# Altium PCB CHAHARDOLI-7 ADAD METAL.PcbDoc (part 8 of 11) (continued)
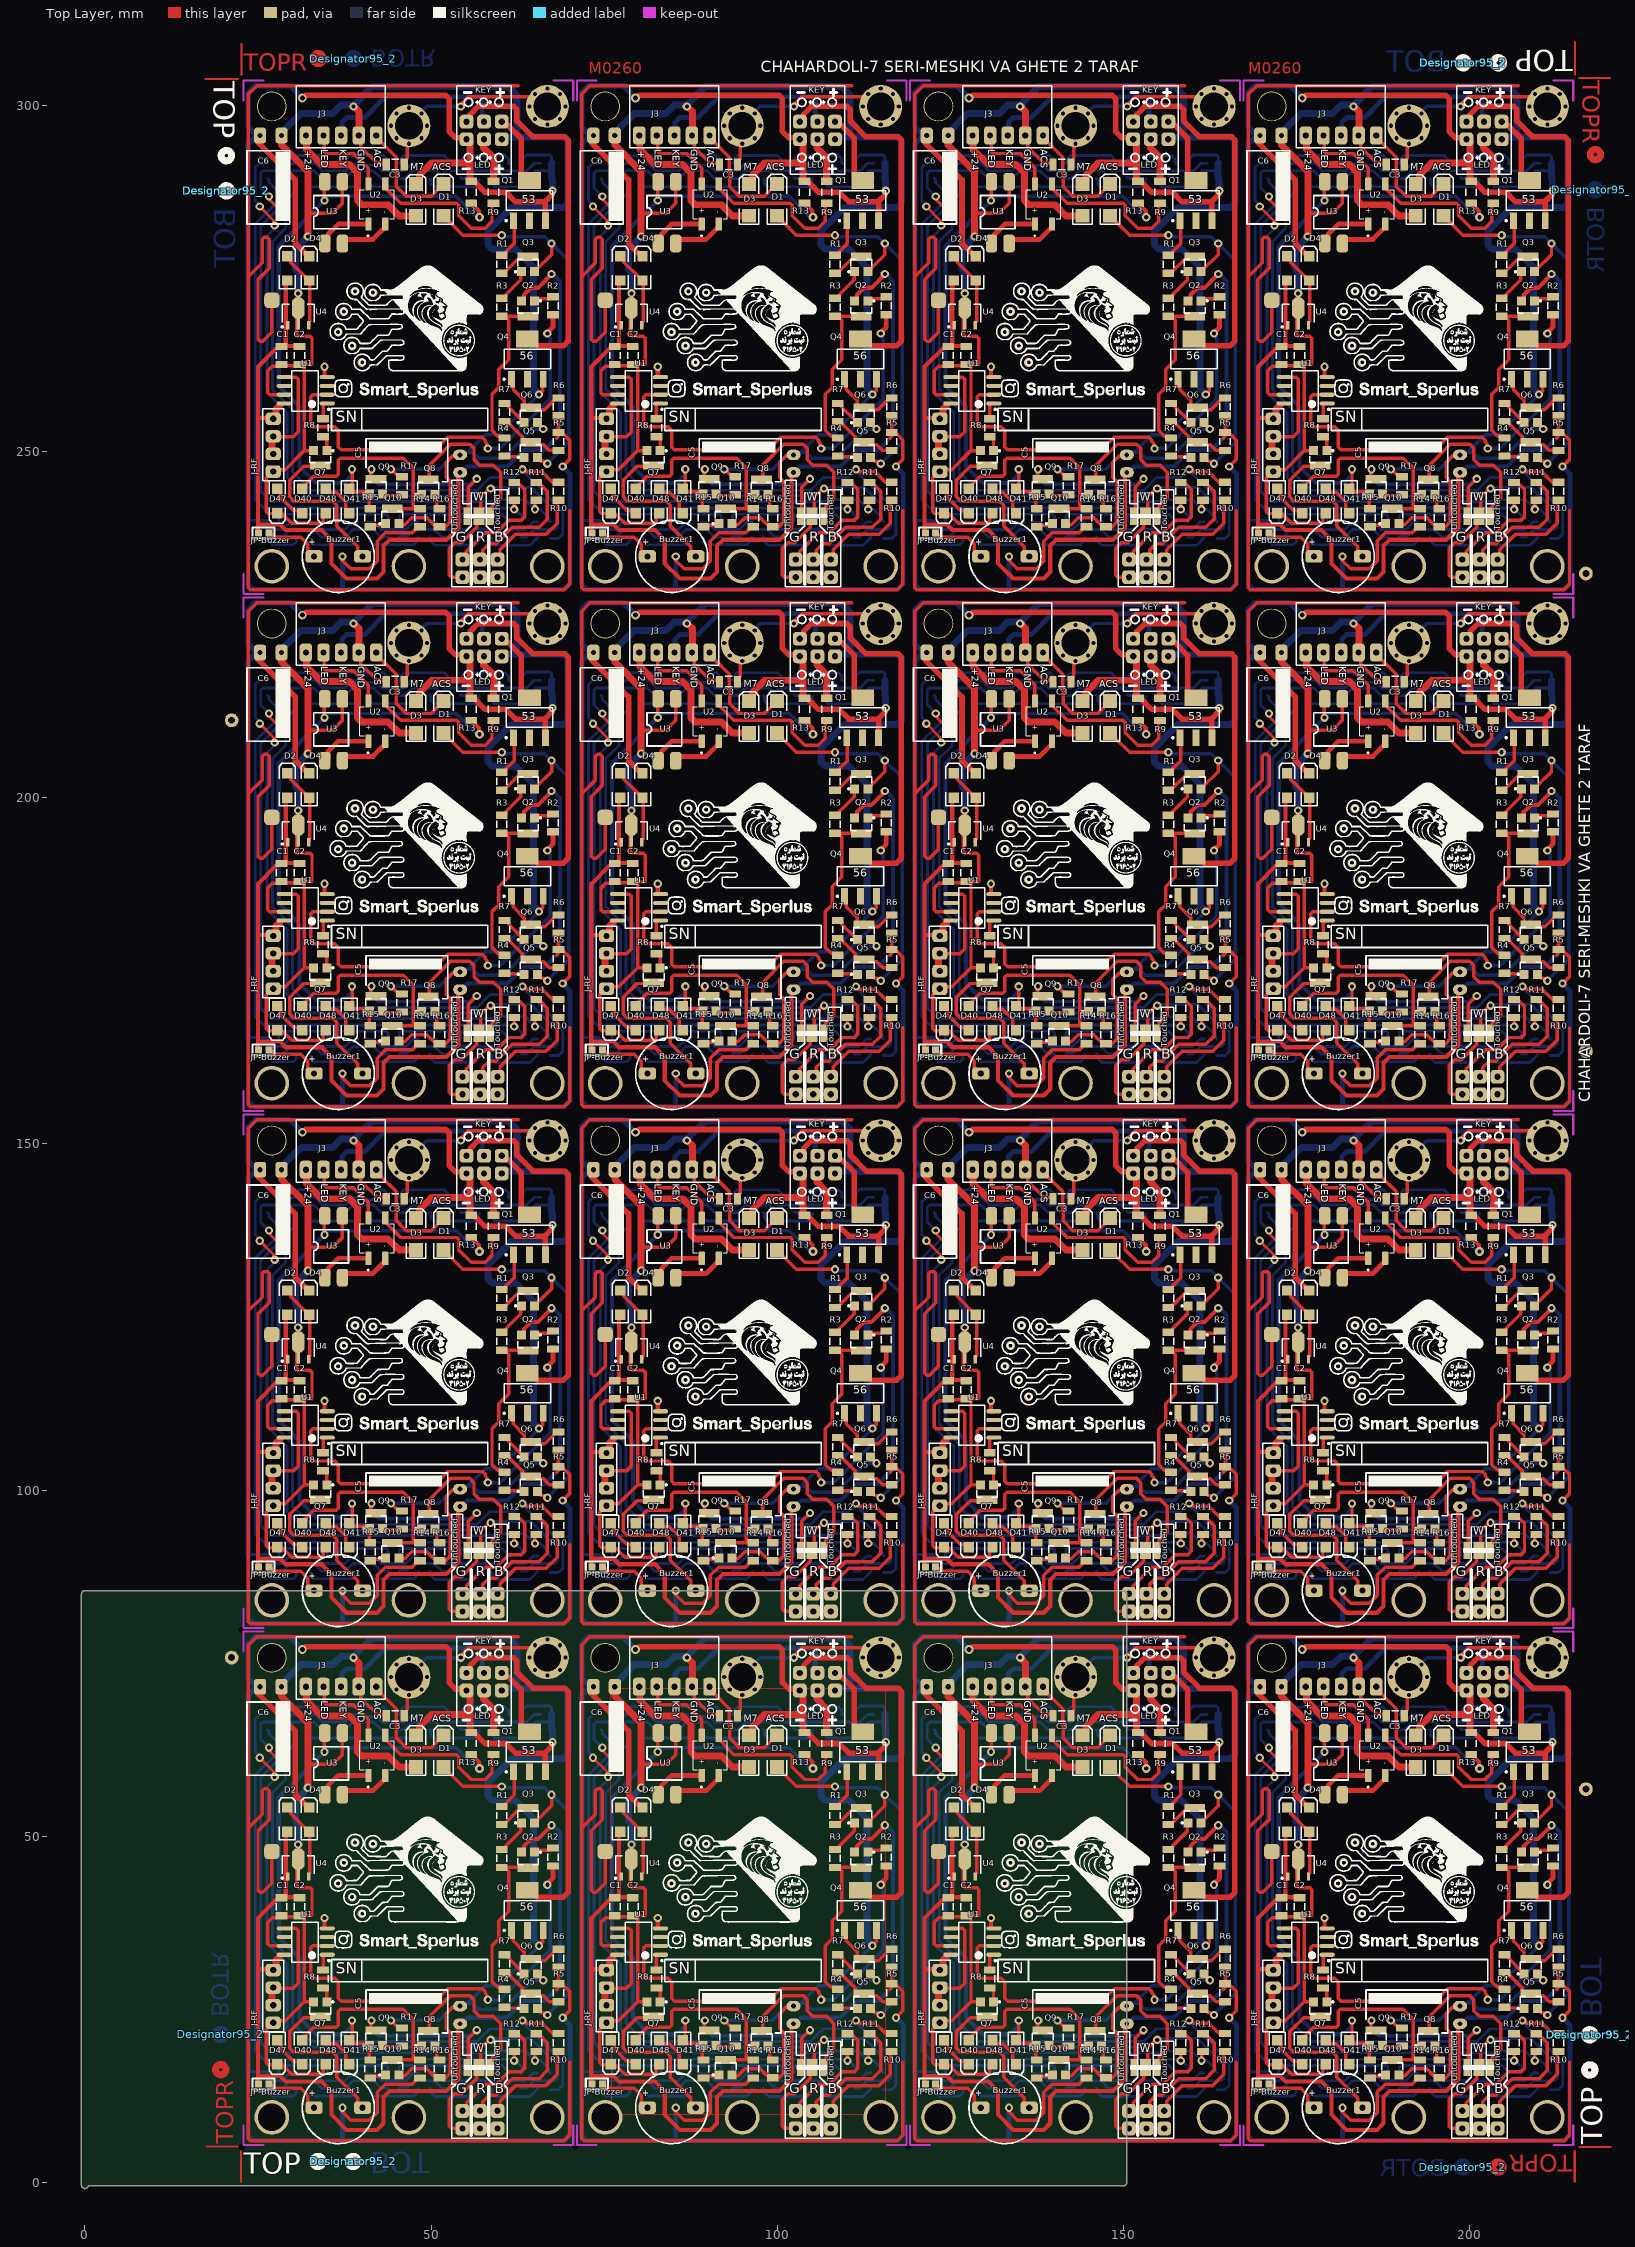
[diagram p0: Top Layer view]
## Nets (pads, with @x,y where several pads share a name; then routed paths per layer and width w, separated by ;. In a path a pad name is that pad's centre, name@x,y a point inside that pad or via, vN(x,y) a via of type N, cw(c..) or ccw(c..) an arc to the next point about the centre after c; other vN are vias at no path point) (continued)
  Top Layer w0.7: 35,130.892 35.097,130.989 35.097,131.985 36.6,133.488 40.95,133.488 ; 35,205.58 35.097,205.677 35.097,206.673 36.6,208.176 40.95,208.176 ; 35,280.268 35.097,280.365 35.097,281.361 36.6,282.864 40.95,282.864 ; 37.2,130.688 37.2,130.747 36.965,130.982 36.729,131.217 37.2,131.217 ; 37.2,131.288 41.6,131.288 43.195,132.883 43.295,132.883 43.4,132.988 43.4,133.488 43.4,133.782 ; 37.2,205.376 37.2,205.435 36.965,205.67 36.729,205.905 37.2,205.905 ; 37.2,205.976 41.6,205.976 43.195,207.571 43.295,207.571 43.4,207.676 43.4,208.176 43.4,208.47 ; 37.2,280.064 37.2,280.123 36.965,280.358 36.729,280.594 37.2,280.594 ; 37.2,280.664 41.6,280.664 43.195,282.259 43.295,282.259 43.4,282.364 43.4,282.864 43.4,283.158 ; v1(66.8,117.688) 66.8,117.823 67.6,118.623 67.6,120.218 67.425,120.393 67.2,120.393 ; v1(66.8,192.376) 66.8,192.512 67.6,193.312 67.6,194.906 67.425,195.081 67.2,195.081 ; v1(66.8,267.064) 66.8,267.2 67.6,268 67.6,269.594 67.425,269.769 67.2,269.769 ; 83.145,56.204 83.242,56.301 83.242,57.297 84.745,58.8 89.095,58.8 ; 83.145,130.892 83.242,130.989 83.242,131.985 84.745,133.488 89.095,133.488 ; 83.145,205.58 83.242,205.677 83.242,206.673 84.745,208.176 89.095,208.176 ; 83.145,280.268 83.242,280.365 83.242,281.361 84.745,282.864 89.095,282.864 ; 85.345,56 85.345,56.059 85.11,56.294 84.874,56.529 85.345,56.529 ; 85.345,56.6 89.745,56.6 91.34,58.195 91.44,58.195 91.545,58.3 91.545,58.8 91.545,59.094 ; 85.345,130.688 85.345,130.747 85.11,130.982 84.874,131.217 85.345,131.217 ; 85.345,131.288 89.745,131.288 91.34,132.883 91.44,132.883 91.545,132.988 91.545,133.488 91.545,133.782 ; 85.345,205.376 85.345,205.435 85.11,205.67 84.874,205.905 85.345,205.905 ; 85.345,205.976 89.745,205.976 91.34,207.571 91.44,207.571 91.545,207.676 91.545,208.176 91.545,208.47 ; 85.345,280.064 85.345,280.123 85.11,280.358 84.874,280.594 85.345,280.594 ; 85.345,280.664 89.745,280.664 91.34,282.259 91.44,282.259 91.545,282.364 91.545,282.864 91.545,283.158 ; v1(114.945,43) 114.945,43.135 115.745,43.935 115.745,45.53 115.57,45.705 115.345,45.705 ; v1(114.945,117.688) 114.945,117.823 115.745,118.623 115.745,120.218 115.57,120.393 115.345,120.393 ; v1(114.945,192.376) 114.945,192.512 115.745,193.312 115.745,194.906 115.57,195.081 115.345,195.081 ; v1(114.945,267.064) 114.945,267.2 115.745,268 115.745,269.594 115.57,269.769 115.345,269.769 ; 131.29,56.204 131.387,56.301 131.387,57.297 132.89,58.8 137.24,58.8 ; 131.29,130.892 131.387,130.989 131.387,131.985 132.89,133.488 137.24,133.488 ; 131.29,205.58 131.387,205.677 131.387,206.673 132.89,208.176 137.24,208.176 ; 131.29,280.268 131.387,280.365 131.387,281.361 132.89,282.864 137.24,282.864 ; 133.49,56 133.49,56.059 133.255,56.294 133.02,56.529 133.49,56.529 ; 133.49,56.6 137.89,56.6 139.485,58.195 139.585,58.195 139.69,58.3 139.69,58.8 139.69,59.094 ; 133.49,130.688 133.49,130.747 133.255,130.982 133.019,131.217 133.49,131.217 ; 133.49,131.288 137.89,131.288 139.485,132.883 139.585,132.883 139.69,132.988 139.69,133.488 139.69,133.782 ; 133.49,205.376 133.49,205.435 133.255,205.67 133.019,205.905 133.49,205.905 ; 133.49,205.976 137.89,205.976 139.485,207.571 139.585,207.571 139.69,207.676 139.69,208.176 139.69,208.47 ; 133.49,280.064 133.49,280.123 133.255,280.358 133.019,280.594 133.49,280.594 ; 133.49,280.664 137.89,280.664 139.485,282.259 139.585,282.259 139.69,282.364 139.69,282.864 139.69,283.158 ; v1(163.09,117.688) 163.09,117.823 163.89,118.623 163.89,120.218 163.715,120.393 163.49,120.393 ; v1(163.09,192.376) 163.09,192.512 163.89,193.312 163.89,194.906 163.715,195.081 163.49,195.081 ; v1(163.09,267.064) 163.09,267.2 163.89,268 163.89,269.594 163.715,269.769 163.49,269.769 ; v1(163.09,43) 163.09,43.135 163.89,43.935 163.89,45.53 163.715,45.705 163.49,45.705 ; 179.435,56.204 179.532,56.301 179.532,57.297 181.035,58.8 185.385,58.8 ; 179.435,130.892 179.532,130.989 179.532,131.985 181.035,133.488 185.385,133.488 ; 179.435,205.58 179.532,205.677 179.532,206.673 181.035,208.176 185.385,208.176 ; 179.435,280.268 179.532,280.365 179.532,281.361 181.035,282.864 185.385,282.864 ; 181.635,56 181.635,56.059 181.4,56.294 181.165,56.529 181.635,56.529 ; 181.635,56.6 186.035,56.6 187.63,58.195 187.73,58.195 187.835,58.3 187.835,58.8 187.835,59.094 ; 181.635,130.688 181.635,130.747 181.4,130.982 181.165,131.217 181.635,131.217 ; 181.635,131.288 186.035,131.288 187.63,132.883 187.73,132.883 187.835,132.988 187.835,133.488 187.835,133.782 ; 181.635,205.376 181.635,205.435 181.4,205.67 181.165,205.905 181.635,205.905 ; 181.635,205.976 186.035,205.976 187.63,207.571 187.73,207.571 187.835,207.676 187.835,208.176 187.835,208.47 ; 181.635,280.064 181.635,280.123 181.4,280.358 181.165,280.594 181.635,280.594 ; 181.635,280.664 186.035,280.664 187.63,282.259 187.73,282.259 187.835,282.364 187.835,282.864 187.835,283.158 ; v1(211.235,43) 211.235,43.135 212.035,43.935 212.035,45.53 211.86,45.705 211.635,45.705 ; v1(211.235,117.688) 211.235,117.823 212.035,118.623 212.035,120.218 211.86,120.393 211.635,120.393 ; v1(211.235,192.376) 211.235,192.512 212.035,193.312 212.035,194.906 211.86,195.081 211.635,195.081 ; v1(211.235,267.064) 211.235,267.2 212.035,268 212.035,269.594 211.86,269.769 211.635,269.769
  Top Layer w0.8: 24.8,146.488 25,146.288 ; 24.8,221.176 25,220.976 ; 24.8,295.864 25,295.664 ; 25.062,145.827 25.062,145.227 30.4,139.888 30.4,130.688 32.039,129.05 ; 25.062,220.515 25.062,219.915 30.4,214.576 30.4,205.376 32.039,203.738 ; 25.061,295.203 25.061,294.603 30.4,289.264 30.4,280.064 32.039,278.426 ; v5@31.617,151.778 31.927,152.088 52.131,152.088 52.6,151.619 52.6,146.888 53.528,145.96 54.908,145.96 55.12,145.748 ; v5@31.617,226.466 31.927,226.776 52.131,226.776 52.6,226.308 52.6,221.576 53.528,220.648 54.908,220.648 55.12,220.436 ; v5@31.617,301.154 31.927,301.464 52.131,301.464 52.6,300.996 52.6,296.264 53.528,295.336 54.908,295.336 55.12,295.124 ; 55.066,148.288 55.658,148.88 ; 55.066,222.976 55.658,223.569 ; 55.066,297.664 55.658,298.257 ; 55.658,149.346 56.8,150.488 61.931,150.488 62.4,150.019 62.4,148.385 64.697,146.088 69.331,146.088 69.8,145.619 69.8,116.581 69.107,115.888 65.35,115.888 64.35,116.888 63.9,116.888 ; 55.658,224.034 56.8,225.176 61.931,225.176 62.4,224.708 62.4,223.073 64.697,220.776 69.331,220.776 69.8,220.308 69.8,191.269 69.107,190.576 65.35,190.576 64.35,191.576 63.9,191.576 ; 55.658,298.723 56.8,299.864 61.931,299.864 62.4,299.396 62.4,297.761 64.697,295.464 69.331,295.464 69.8,294.996 69.8,265.957 69.107,265.264 65.35,265.264 64.35,266.264 63.9,266.264 ; 55.8,139.688 55.8,139.768 56.12,139.768 57.8,138.088 60.8,138.088 62.2,136.688 66.5,136.688 66.5,133.988 ; 55.8,214.376 55.8,214.456 56.12,214.456 57.8,212.776 60.8,212.776 62.2,211.376 66.5,211.376 66.5,208.676 ; 55.8,289.064 55.8,289.144 56.12,289.144 57.8,287.464 60.8,287.464 62.2,286.064 66.5,286.064 66.5,283.364 ; 59.94,148.288 60.478,147.75 61.138,147.75 63,145.888 63,140.588 63.8,139.788 64.2,139.788 ; 59.94,222.976 60.478,222.438 61.138,222.438 63,220.576 63,215.276 63.8,214.476 64.2,214.476 ; 59.94,297.664 60.478,297.126 61.138,297.126 63,295.264 63,289.964 63.8,289.164 64.2,289.164 ; 66.5,136.788 67.473,137.762 67.473,138.212 v1(67.55,138.288) ; 66.5,211.476 67.473,212.45 67.473,212.9 v1(67.55,212.976) ; 66.5,286.164 67.473,287.138 67.473,287.588 v1(67.55,287.664) ; 72.945,71.8 73.145,71.6 ; 72.945,146.488 73.145,146.288 ; 72.945,221.176 73.145,220.976 ; 72.945,295.864 73.145,295.664 ; 73.207,71.138 73.207,70.538 78.545,65.2 78.545,56 80.184,54.361 ; 73.207,145.827 73.207,145.227 78.545,139.888 78.545,130.688 80.184,129.05 ; 73.207,220.515 73.207,219.915 78.545,214.576 78.545,205.376 80.184,203.738 ; 73.207,295.203 73.207,294.603 78.545,289.264 78.545,280.064 80.184,278.426 ; v5@79.762,77.09 80.072,77.4 100.276,77.4 100.745,76.931 100.745,72.2 101.673,71.272 103.053,71.272 103.265,71.06 ; v5@79.762,151.778 80.072,152.088 100.276,152.088 100.745,151.619 100.745,146.888 101.673,145.96 103.053,145.96 103.265,145.748 ; v5@79.762,226.466 80.072,226.776 100.276,226.776 100.745,226.308 100.745,221.576 101.673,220.648 103.053,220.648 103.265,220.436 ; v5@79.762,301.154 80.072,301.464 100.276,301.464 100.745,300.996 100.745,296.264 101.673,295.336 103.053,295.336 103.265,295.124 ; 103.211,73.6 103.803,74.192 ; 103.211,148.288 103.803,148.88 ; 103.211,222.976 103.803,223.569 ; 103.211,297.664 103.803,298.257 ; 103.803,74.658 104.945,75.8 110.076,75.8 110.545,75.331 110.545,73.697 112.842,71.4 117.476,71.4 117.945,70.931 117.945,41.893 117.252,41.2 113.495,41.2 112.495,42.2 112.045,42.2 ; 103.803,149.346 104.945,150.488 110.076,150.488 110.545,150.019 110.545,148.385 112.842,146.088 117.476,146.088 117.945,145.619 117.945,116.581 117.252,115.888 113.495,115.888 112.495,116.888 112.045,116.888 ; 103.803,224.034 104.945,225.176 110.076,225.176 110.545,224.708 110.545,223.073 112.842,220.776 117.476,220.776 117.945,220.308 117.945,191.269 117.252,190.576 113.495,190.576 112.495,191.576 112.045,191.576 ; 103.803,298.723 104.945,299.864 110.076,299.864 110.545,299.396 110.545,297.761 112.842,295.464 117.476,295.464 117.945,294.996 117.945,265.957 117.252,265.264 113.495,265.264 112.495,266.264 112.045,266.264 ; 103.945,65 103.945,65.08 104.265,65.08 105.945,63.4 108.945,63.4 110.345,62 114.645,62 114.645,59.3 ; 103.945,139.688 103.945,139.768 104.265,139.768 105.945,138.088 108.945,138.088 110.345,136.688 114.645,136.688 114.645,133.988 ; 103.945,214.376 103.945,214.456 104.265,214.456 105.945,212.776 108.945,212.776 110.345,211.376 114.645,211.376 114.645,208.676 ; 103.945,289.064 103.945,289.144 104.265,289.144 105.945,287.464 108.945,287.464 110.345,286.064 114.645,286.064 114.645,283.364 ; 108.085,73.6 108.623,73.062 109.283,73.062 111.145,71.2 111.145,65.9 111.945,65.1 112.345,65.1 ; 108.085,148.288 108.623,147.75 109.283,147.75 111.145,145.888 111.145,140.588 111.945,139.788 112.345,139.788 ; 108.085,222.976 108.623,222.438 109.283,222.438 111.145,220.576 111.145,215.276 111.945,214.476 112.345,214.476 ; 108.085,297.664 108.623,297.126 109.283,297.126 111.145,295.264 111.145,289.964 111.945,289.164 112.345,289.164 ; 114.645,62.1 115.619,63.073 115.619,63.523 v1(115.695,63.6) ; 114.645,136.788 115.619,137.762 115.619,138.212 v1(115.695,138.288) ; 114.645,211.476 115.619,212.45 115.619,212.9 v1(115.695,212.976) ; 114.645,286.164 115.619,287.138 115.619,287.588 v1(115.695,287.664) ; 121.09,71.8 121.29,71.6 ; 121.09,146.488 121.29,146.288 ; 121.09,221.176 121.29,220.976 ; 121.09,295.864 121.29,295.664 ; 121.352,71.138 121.352,70.538 126.69,65.2 126.69,56 128.329,54.361 ; 121.352,145.827 121.352,145.227 126.69,139.888 126.69,130.688 128.329,129.05 ; 121.352,220.515 121.352,219.915 126.69,214.576 126.69,205.376 128.329,203.738 ; 121.352,295.203 121.352,294.603 126.69,289.264 126.69,280.064 128.329,278.426 ; v5@127.907,77.09 128.217,77.4 148.422,77.4 148.89,76.931 148.89,72.2 149.818,71.272 151.198,71.272 151.41,71.06 ; v5@127.907,151.778 128.217,152.088 148.422,152.088 148.89,151.619 148.89,146.888 149.818,145.96 151.198,145.96 151.41,145.748 ; v5@127.907,226.466 128.217,226.776 148.422,226.776 148.89,226.308 148.89,221.576 149.818,220.648 151.198,220.648 151.41,220.436 ; v5@127.907,301.154 128.217,301.464 148.422,301.464 148.89,300.996 148.89,296.264 149.818,295.336 151.198,295.336 151.41,295.124 ; 151.356,73.6 151.948,74.192 ; 151.356,148.288 151.948,148.88 ; 151.356,222.976 151.948,223.569 ; 151.356,297.664 151.948,298.257 ; 151.948,74.658 153.09,75.8 158.222,75.8 158.69,75.331 158.69,73.697 160.987,71.4 165.622,71.4 166.09,70.931 166.09,41.893 165.397,41.2 161.64,41.2 160.64,42.2 160.19,42.2 ; 151.948,149.346 153.09,150.488 158.222,150.488 158.69,150.019 158.69,148.385 160.987,146.088 165.622,146.088 166.09,145.619 166.09,116.581 165.397,115.888 161.64,115.888 160.64,116.888 160.19,116.888 ; 151.948,224.034 153.09,225.176 158.222,225.176 158.69,224.708 158.69,223.073 160.987,220.776 165.622,220.776 166.09,220.308 166.09,191.269 165.397,190.576 161.64,190.576 160.64,191.576 160.19,191.576 ; 151.948,298.723 153.09,299.864 158.222,299.864 158.69,299.396 158.69,297.761 160.987,295.464 165.622,295.464 166.09,294.996 166.09,265.957 165.397,265.264 161.64,265.264 160.64,266.264 160.19,266.264 ; 152.09,65 152.09,65.08 152.41,65.08 154.09,63.4 157.09,63.4 158.49,62 162.79,62 162.79,59.3 ; 152.09,139.688 152.09,139.768 152.41,139.768 154.09,138.088 157.09,138.088 158.49,136.688 162.79,136.688 162.79,133.988 ; 152.09,214.376 152.09,214.456 152.41,214.456 154.09,212.776 157.09,212.776 158.49,211.376 162.79,211.376 162.79,208.676 ; 152.09,289.064 152.09,289.144 152.41,289.144 154.09,287.464 157.09,287.464 158.49,286.064 162.79,286.064 162.79,283.364 ; 156.23,73.6 156.768,73.062 157.428,73.062 159.29,71.2 159.29,65.9 160.09,65.1 160.49,65.1 ; 156.23,148.288 156.768,147.75 157.428,147.75 159.29,145.888 159.29,140.588 160.09,139.788 160.49,139.788 ; 156.23,222.976 156.768,222.438 157.428,222.438 159.29,220.576 159.29,215.276 160.09,214.476 160.49,214.476 ; 156.23,297.664 156.768,297.126 157.428,297.126 159.29,295.264 159.29,289.964 160.09,289.164 160.49,289.164 ; 162.79,62.1 163.764,63.073 163.764,63.523 v1(163.84,63.6) ; 162.79,136.788 163.764,137.762 163.764,138.212 v1(163.84,138.288) ; 162.79,211.476 163.764,212.45 163.764,212.9 v1(163.84,212.976) ; 162.79,286.164 163.764,287.138 163.764,287.588 v1(163.84,287.664) ; 169.235,71.8 169.435,71.6 ; 169.235,146.488 169.435,146.288 ; 169.235,221.176 169.435,220.976 ; 169.235,295.864 169.435,295.664 ; 169.497,71.138 169.497,70.538 174.835,65.2 174.835,56 176.474,54.361 ; 169.497,145.827 169.497,145.227 174.835,139.888 174.835,130.688 176.474,129.05 ; 169.497,220.515 169.497,219.915 174.835,214.576 174.835,205.376 176.474,203.738 ; 169.497,295.203 169.497,294.603 174.835,289.264 174.835,280.064 176.474,278.426 ; v5@176.052,77.09 176.363,77.4 196.567,77.4 197.035,76.931 197.035,72.2 197.963,71.272 199.343,71.272 199.555,71.06 ; v5@176.052,151.778 176.363,152.088 196.567,152.088 197.035,151.619 197.035,146.888 197.963,145.96 199.343,145.96 199.555,145.748 ; v5@176.052,226.466 176.362,226.776 196.567,226.776 197.035,226.308 197.035,221.576 197.963,220.648 199.343,220.648 199.555,220.436 ; v5@176.052,301.154 176.362,301.464 196.567,301.464 197.035,300.996 197.035,296.264 197.963,295.336 199.343,295.336 199.555,295.124 ; 199.501,73.6 200.094,74.192 ; 199.501,148.288 200.094,148.88 ; 199.501,222.976 200.094,223.569 ; 199.501,297.664 200.094,298.257 ; 200.094,74.658 201.235,75.8 206.367,75.8 206.835,75.331 206.835,73.697 209.132,71.4 213.767,71.4 214.235,70.931 214.235,41.893 213.542,41.2 209.785,41.2 208.785,42.2 208.335,42.2 ; 200.094,149.346 201.235,150.488 206.367,150.488 206.835,150.019 206.835,148.385 209.132,146.088 213.767,146.088 214.235,145.619 214.235,116.581 213.542,115.888 209.785,115.888 208.785,116.888 208.335,116.888 ; 200.094,224.034 201.235,225.176 206.367,225.176 206.835,224.708 206.835,223.073 209.132,220.776 213.767,220.776 214.235,220.308 214.235,191.269 213.542,190.576 209.785,190.576 208.785,191.576 208.335,191.576 ; 200.094,298.723 201.235,299.864 206.367,299.864 206.835,299.396 206.835,297.761 209.132,295.464 213.767,295.464 214.235,294.996 214.235,265.957 213.542,265.264 209.785,265.264 208.785,266.264 208.335,266.264 ; 200.235,65 200.235,65.08 200.555,65.08 202.235,63.4 205.235,63.4 206.635,62 210.935,62 210.935,59.3 ; 200.235,139.688 200.235,139.768 200.555,139.768 202.235,138.088 205.235,138.088 206.635,136.688 210.935,136.688 210.935,133.988 ; 200.235,214.376 200.235,214.456 200.555,214.456 202.235,212.776 205.235,212.776 206.635,211.376 210.935,211.376 210.935,208.676 ; 200.235,289.064 200.235,289.144 200.555,289.144 202.235,287.464 205.235,287.464 206.635,286.064 210.935,286.064 210.935,283.364 ; 204.375,73.6 204.914,73.062 205.574,73.062 207.435,71.2 207.435,65.9 208.235,65.1 208.635,65.1 ; 204.375,148.288 204.914,147.75 205.574,147.75 207.435,145.888 207.435,140.588 208.235,139.788 208.635,139.788 ; 204.375,222.976 204.914,222.438 205.574,222.438 207.435,220.576 207.435,215.276 208.235,214.476 208.635,214.476 ; 204.375,297.664 204.914,297.126 205.574,297.126 207.435,295.264 207.435,289.964 208.235,289.164 208.635,289.164 ; 210.935,62.1 211.909,63.073 211.909,63.523 v1(211.985,63.6) ; 210.935,136.788 211.909,137.762 211.909,138.212 v1(211.985,138.288) ; 210.935,211.476 211.909,212.45 211.909,212.9 v1(211.985,212.976) ; 210.935,286.164 211.909,287.138 211.909,287.588 v1(211.985,287.664)
  Top Layer w1: 27,100.998 27,102.628 27.2,102.828 ; 27,175.686 27,177.316 27.2,177.516 ; 27,250.374 27,252.004 27.2,252.204 ; 27.2,105.168 27.628,105.597 27.628,106.812 28.2,107.383 ; 27.2,179.856 27.628,180.285 27.628,181.5 28.2,182.071 ; 27.2,254.544 27.628,254.973 27.628,256.188 28.2,256.759 ; 28,146.288 28.389,145.899 28.389,144.899 32.2,141.088 32.2,135.088 v1(32.2,131.688) ; 28,220.976 28.389,220.587 28.389,219.587 32.2,215.776 32.2,209.776 v1(32.2,206.376) ; 28,295.664 28.389,295.275 28.389,294.275 32.2,290.464 32.2,284.464 v1(32.2,281.064) ; 31.92,146.288 32,146.208 32,144.288 34.2,142.088 38.2,142.088 39.4,140.888 39.4,136.874 39.986,136.288 43.8,136.288 45.4,134.688 47.8,134.688 ; 31.92,220.976 32,220.896 32,218.976 34.2,216.776 38.2,216.776 39.4,215.576 39.4,211.562 39.986,210.976 43.8,210.976 45.4,209.376 47.8,209.376 ; 31.92,295.664 32,295.584 32,293.664 34.2,291.464 38.2,291.464 39.4,290.264 39.4,286.25 39.986,285.664 43.8,285.664 45.4,284.064 47.8,284.064 ; v1(38.8,150.488) 38.854,150.488 39.596,149.747 39.6,149.747 39.6,146.348 39.54,146.288 ; v1(38.8,225.176) 38.854,225.176 39.596,224.435 39.6,224.435 39.6,221.036 39.54,220.976 ; v1(38.8,299.864) 38.854,299.864 39.595,299.123 39.6,299.123 39.6,295.724 39.54,295.664 ; 47.8,139.288 48.3,139.788 48.3,140.552 50.036,142.288 55.6,142.288 ; 47.8,213.976 48.3,214.476 48.3,215.24 50.036,216.976 55.6,216.976 ; 47.8,288.664 48.3,289.164 48.3,289.928 50.036,291.664 55.6,291.664 ; 55.12,145.748 55.6,145.268 55.6,142.288 ; 55.12,220.436 55.6,219.956 55.6,216.976 ; 55.12,295.124 55.6,294.644 55.6,291.664 ; 55.8,139.688 55.625,139.688 55.6,139.713 55.6,142.288 ; 55.8,214.376 55.625,214.376 55.6,214.401 55.6,216.976 ; 55.8,289.064 55.625,289.064 55.6,289.089 55.6,291.664 ; 57.6,145.008 57.6,144.488 59,143.088 59,139.688 ; 57.6,219.697 57.6,219.176 59,217.776 59,214.376 ; 57.6,294.385 57.6,293.864 59,292.464 59,289.064 ; 75.145,26.31 75.145,27.94 75.345,28.14 ; 75.145,100.998 75.145,102.628 75.345,102.828 ; 75.145,175.686 75.145,177.316 75.345,177.516 ; 75.145,250.374 75.145,252.004 75.345,252.204 ; 75.345,30.48 75.774,30.909 75.774,32.123 76.345,32.695 ; 75.345,105.168 75.774,105.597 75.774,106.812 76.345,107.383 ; 75.345,179.856 75.774,180.285 75.774,181.5 76.345,182.071 ; 75.345,254.544 75.774,254.973 75.774,256.188 76.345,256.759 ; 76.145,71.6 76.534,71.211 76.534,70.211 80.345,66.4 80.345,60.4 v1(80.345,57) ; 76.145,146.288 76.534,145.899 76.534,144.899 80.345,141.088 80.345,135.088 v1(80.345,131.688) ; 76.145,220.976 76.534,220.587 76.534,219.587 80.345,215.776 80.345,209.776 v1(80.345,206.376) ; 76.145,295.664 76.534,295.275 76.534,294.275 80.345,290.464 80.345,284.464 v1(80.345,281.064) ; 80.065,71.6 80.145,71.52 80.145,69.6 82.345,67.4 86.345,67.4 87.545,66.2 87.545,62.186 88.131,61.6 91.945,61.6 93.545,60 95.945,60 ; 80.065,146.288 80.145,146.208 80.145,144.288 82.345,142.088 86.345,142.088 87.545,140.888 87.545,136.874 88.131,136.288 91.945,136.288 93.545,134.688 95.945,134.688 ; 80.065,220.976 80.145,220.896 80.145,218.976 82.345,216.776 86.345,216.776 87.545,215.576 87.545,211.562 88.131,210.976 91.945,210.976 93.545,209.376 95.945,209.376 ; 80.065,295.664 80.145,295.584 80.145,293.664 82.345,291.464 86.345,291.464 87.545,290.264 87.545,286.25 88.131,285.664 91.945,285.664 93.545,284.064 95.945,284.064 ; v1(86.945,75.8) 86.999,75.8 87.741,75.059 87.745,75.059 87.745,71.66 87.685,71.6 ; v1(86.945,150.488) 86.999,150.488 87.741,149.747 87.745,149.747 87.745,146.348 87.685,146.288 ; v1(86.945,225.176) 86.999,225.176 87.741,224.435 87.745,224.435 87.745,221.036 87.685,220.976 ; v1(86.945,299.864) 86.999,299.864 87.741,299.123 87.745,299.123 87.745,295.724 87.685,295.664 ; 95.945,64.6 96.445,65.1 96.445,65.864 98.181,67.6 103.745,67.6 ; 95.945,139.288 96.445,139.788 96.445,140.552 98.181,142.288 103.745,142.288 ; 95.945,213.976 96.445,214.476 96.445,215.24 98.181,216.976 103.745,216.976 ; 95.945,288.664 96.445,289.164 96.445,289.928 98.181,291.664 103.745,291.664 ; 103.265,71.06 103.745,70.58 103.745,67.6 ; 103.265,145.748 103.745,145.268 103.745,142.288 ; 103.265,220.436 103.745,219.956 103.745,216.976 ; 103.265,295.124 103.745,294.644 103.745,291.664 ; 103.945,65 103.77,65 103.745,65.025 103.745,67.6 ; 103.945,139.688 103.77,139.688 103.745,139.713 103.745,142.288 ; 103.945,214.376 103.77,214.376 103.745,214.401 103.745,216.976 ; 103.945,289.064 103.77,289.064 103.745,289.089 103.745,291.664 ; 105.745,70.32 105.745,69.8 107.145,68.4 107.145,65 ; 105.745,145.008 105.745,144.488 107.145,143.088 107.145,139.688 ; 105.745,219.697 105.745,219.176 107.145,217.776 107.145,214.376 ; 105.745,294.385 105.745,293.864 107.145,292.464 107.145,289.064 ; 123.29,26.31 123.29,27.94 123.49,28.14 ; 123.29,100.998 123.29,102.628 123.49,102.828 ; 123.29,175.686 123.29,177.316 123.49,177.516 ; 123.29,250.374 123.29,252.004 123.49,252.204 ; 123.49,30.48 123.919,30.909 123.919,32.123 124.49,32.695 ; 123.49,105.168 123.919,105.597 123.919,106.812 124.49,107.383 ; 123.49,179.856 123.919,180.285 123.919,181.5 124.49,182.071 ; 123.49,254.544 123.919,254.973 123.919,256.188 124.49,256.759 ; 124.29,71.6 124.679,71.211 124.679,70.211 128.49,66.4 128.49,60.4 v1(128.49,57) ; 124.29,146.288 124.679,145.899 124.679,144.899 128.49,141.088 128.49,135.088 v1(128.49,131.688) ; 124.29,220.976 124.679,220.587 124.679,219.587 128.49,215.776 128.49,209.776 v1(128.49,206.376) ; 124.29,295.664 124.679,295.275 124.679,294.275 128.49,290.464 128.49,284.464 v1(128.49,281.064) ; 128.21,71.6 128.29,71.52 128.29,69.6 130.49,67.4 134.49,67.4 135.69,66.2 135.69,62.186 136.276,61.6 140.09,61.6 141.69,60 144.09,60 ; 128.21,146.288 128.29,146.208 128.29,144.288 130.49,142.088 134.49,142.088 135.69,140.888 135.69,136.874 136.276,136.288 140.09,136.288 141.69,134.688 144.09,134.688 ; 128.21,220.976 128.29,220.896 128.29,218.976 130.49,216.776 134.49,216.776 135.69,215.576 135.69,211.562 136.276,210.976 140.09,210.976 141.69,209.376 144.09,209.376 ; 128.21,295.664 128.29,295.584 128.29,293.664 130.49,291.464 134.49,291.464 135.69,290.264 135.69,286.25 136.276,285.664 140.09,285.664 141.69,284.064 144.09,284.064 ; v1(135.09,75.8) 135.144,75.8 135.886,75.059 135.89,75.059 135.89,71.66 135.83,71.6 ; v1(135.09,150.488) 135.144,150.488 135.886,149.747 135.89,149.747 135.89,146.348 135.83,146.288 ; v1(135.09,225.176) 135.144,225.176 135.886,224.435 135.89,224.435 135.89,221.036 135.83,220.976 ; v1(135.09,299.864) 135.144,299.864 135.886,299.123 135.89,299.123 135.89,295.724 135.83,295.664 ; 144.09,64.6 144.59,65.1 144.59,65.864 146.327,67.6 151.89,67.6 ; 144.09,139.288 144.59,139.788 144.59,140.552 146.327,142.288 151.89,142.288 ; 144.09,213.976 144.59,214.476 144.59,215.24 146.327,216.976 151.89,216.976 ; 144.09,288.664 144.59,289.164 144.59,289.928 146.327,291.664 151.89,291.664 ; 151.41,71.06 151.89,70.58 151.89,67.6 ; 151.41,145.748 151.89,145.268 151.89,142.288 ; 151.41,220.436 151.89,219.956 151.89,216.976 ; 151.41,295.124 151.89,294.644 151.89,291.664 ; 152.09,65 151.915,65 151.89,65.025 151.89,67.6 ; 152.09,139.688 151.915,139.688 151.89,139.713 151.89,142.288 ; 152.09,214.376 151.915,214.376 151.89,214.401 151.89,216.976 ; 152.09,289.064 151.915,289.064 151.89,289.089 151.89,291.664 ; 153.89,70.32 153.89,69.8 155.29,68.4 155.29,65 ; 153.89,145.008 153.89,144.488 155.29,143.088 155.29,139.688 ; 153.89,219.697 153.89,219.176 155.29,217.776 155.29,214.376 ; 153.89,294.385 153.89,293.864 155.29,292.464 155.29,289.064 ; 171.435,26.31 171.435,27.94 171.635,28.14 ; 171.435,100.998 171.435,102.628 171.635,102.828 ; 171.435,175.686 171.435,177.316 171.635,177.516 ; 171.435,250.374 171.435,252.004 171.635,252.204 ; 171.635,30.48 172.064,30.909 172.064,32.123 172.635,32.695 ; 171.635,105.168 172.064,105.597 172.064,106.812 172.635,107.383 ; 171.635,179.856 172.064,180.285 172.064,181.5 172.635,182.071 ; 171.635,254.544 172.064,254.973 172.064,256.188 172.635,256.759 ; 172.435,71.6 172.824,71.211 172.824,70.211 176.635,66.4 176.635,60.4 v1(176.635,57) ; 172.435,146.288 172.824,145.899 172.824,144.899 176.635,141.088 176.635,135.088 v1(176.635,131.688) ; 172.435,220.976 172.824,220.587 172.824,219.587 176.635,215.776 176.635,209.776 v1(176.635,206.376) ; 172.435,295.664 172.824,295.275 172.824,294.275 176.635,290.464 176.635,284.464 v1(176.635,281.064) ; 176.355,71.6 176.435,71.52 176.435,69.6 178.635,67.4 182.635,67.4 183.835,66.2 183.835,62.186 184.421,61.6 188.235,61.6 189.835,60 192.235,60 ; 176.355,146.288 176.435,146.208 176.435,144.288 178.635,142.088 182.635,142.088 183.835,140.888 183.835,136.874 184.421,136.288 188.235,136.288 189.835,134.688 192.235,134.688 ; 176.355,220.976 176.435,220.896 176.435,218.976 178.635,216.776 182.635,216.776 183.835,215.576 183.835,211.562 184.421,210.976 188.235,210.976 189.835,209.376 192.235,209.376 ; 176.355,295.664 176.435,295.584 176.435,293.664 178.635,291.464 182.635,291.464 183.835,290.264 183.835,286.25 184.421,285.664 188.235,285.664 189.835,284.064 192.235,284.064 ; v1(183.235,75.8) 183.289,75.8 184.031,75.059 184.035,75.059 184.035,71.66 183.975,71.6 ; v1(183.235,150.488) 183.289,150.488 184.031,149.747 184.035,149.747 184.035,146.348 183.975,146.288 ; v1(183.235,225.176) 183.289,225.176 184.031,224.435 184.035,224.435 184.035,221.036 183.975,220.976 ; v1(183.235,299.864) 183.289,299.864 184.031,299.123 184.035,299.123 184.035,295.724 183.975,295.664 ; 192.235,64.6 192.735,65.1 192.735,65.864 194.472,67.6 200.035,67.6 ; 192.235,139.288 192.735,139.788 192.735,140.552 194.472,142.288 200.035,142.288 ; 192.235,213.976 192.735,214.476 192.735,215.24 194.472,216.976 200.035,216.976 ; 192.235,288.664 192.735,289.164 192.735,289.928 194.472,291.664 200.035,291.664 ; 199.555,71.06 200.035,70.58 200.035,67.6 ; 199.555,145.748 200.035,145.268 200.035,142.288 ; 199.555,220.436 200.035,219.956 200.035,216.976 ; 199.555,295.124 200.035,294.644 200.035,291.664 ; 200.235,65 200.06,65 200.035,65.025 200.035,67.6 ; 200.235,139.688 200.06,139.688 200.035,139.713 200.035,142.288 ; 200.235,214.376 200.06,214.376 200.035,214.401 200.035,216.976 ; 200.235,289.064 200.06,289.064 200.035,289.089 200.035,291.664 ; 202.035,70.32 202.035,69.8 203.435,68.4 203.435,65 ; 202.035,145.008 202.035,144.488 203.435,143.088 203.435,139.688 ; 202.035,219.697 202.035,219.176 203.435,217.776 203.435,214.376 ; 202.035,294.385 202.035,293.864 203.435,292.464 203.435,289.064